# Altium PCB VNA_v4.PcbDoc (part 1 of 5) (continued)
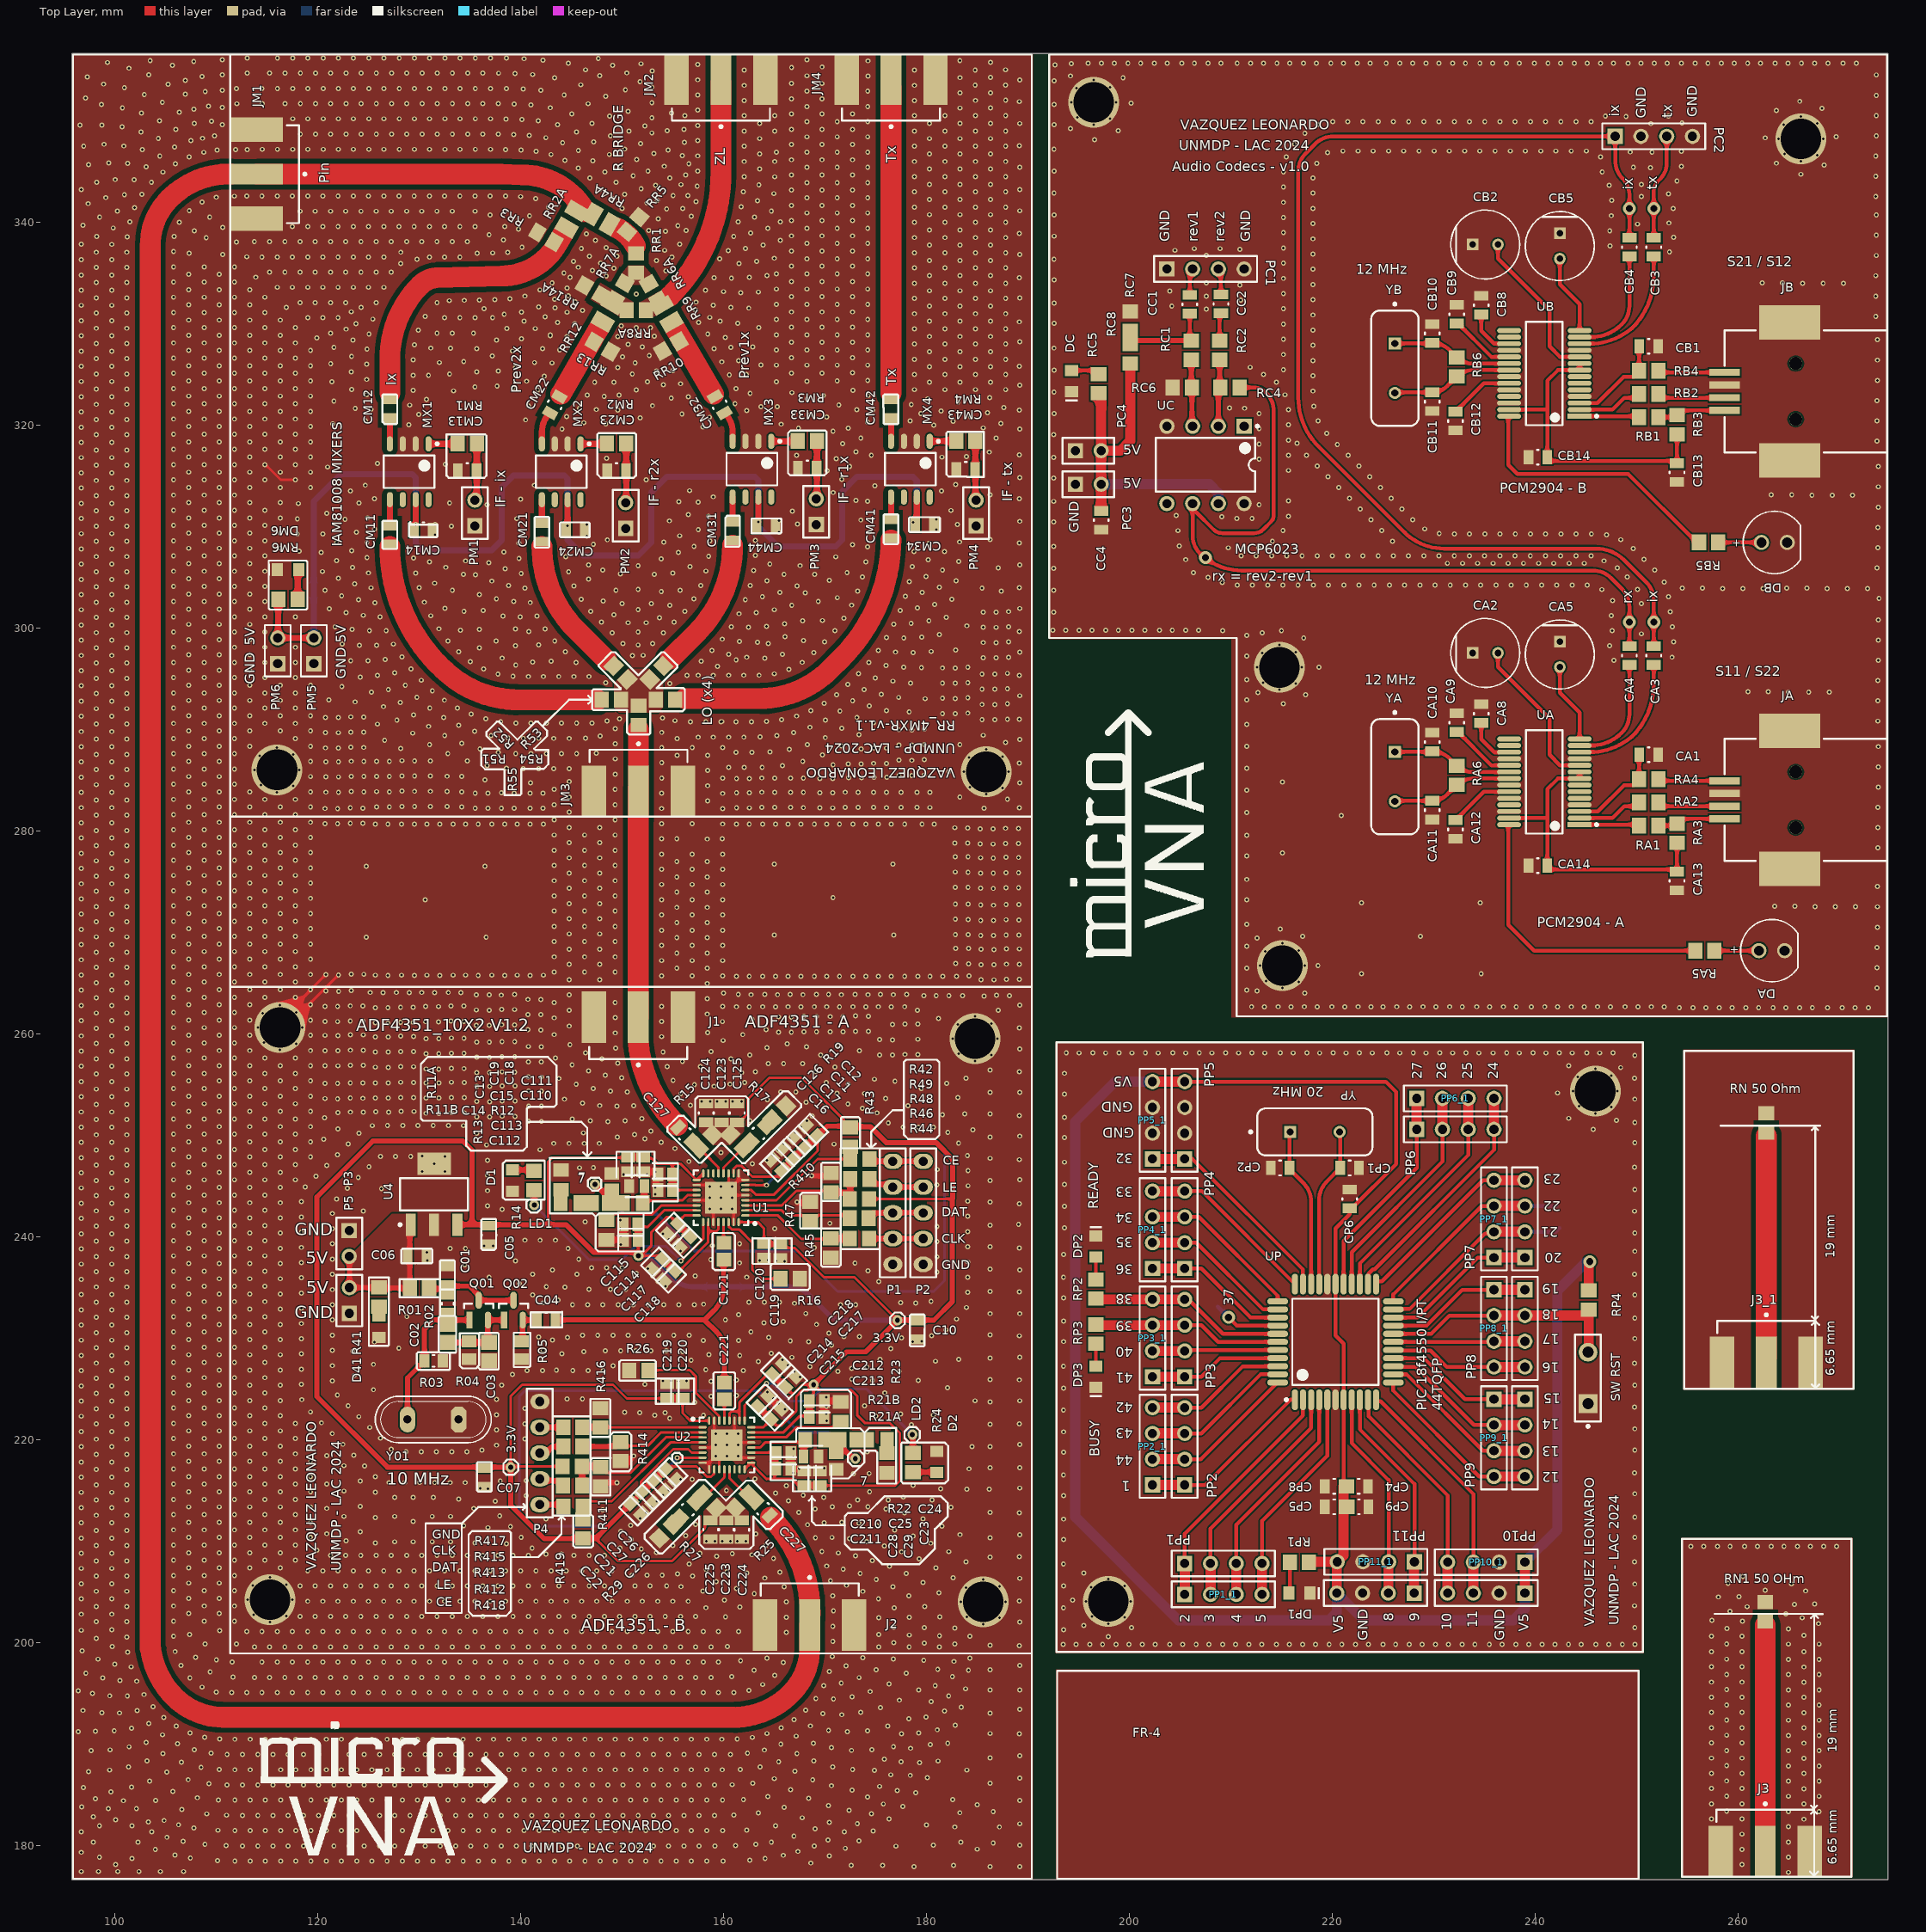
[diagram p0: Top Layer view]
## Components (designator, comment, footprint, x,y, rotation, side; value= is the part's Value field where it differs from the comment)
C01 "0.1 uF" FP-CC0805-0_85-MFG 132.8,236.14 r90 top value="100 nF"
C02 "100 pF" CAPC2013X88X50ML20T25 132.831,230.451 r90 top
C03 "100 pF" CAPC2013X88X50ML20T25 136.9,228.65 r90 top
C04 "0.1 uF" FP-CC0805-0_85-MFG 142.53,231.77 r0 top value="100 nF"
C05 "0.1 uF" FP-CC0805-0_85-MFG 136.9,240.14 r90 top value="100 nF"
C06 "0.1 uF" FP-CC0805-0_85-MFG 129.8,238.1 r180 top value="100 nF"
C07 "0.1 uF" FP-CC0805-0_85-MFG 136.43,216.27 r270 top value="100 nF"
C08 "0.1 uF" FP-CC0805-0_85-MFG 160.93,234.09 r270 bottom value="100 nF"
C09 "0.1 uF" FP-CC0805-0_85-MFG 159.06,235.95 r270 bottom value="100 nF"
C10 "0.1 uF" FP-CC0805-0_85-MFG 179.11,230.79 r270 top value="100 nF"
C11 "10 pF" FP-CL21-IPC_C 167.49,249.28 r135 top
C12 "100 nF" FP-CL21-IPC_C 168.64,250.38 r135 top
C13 "2.7 nF" CAPC2013X130X50NL20T20 148.98,245.4 r270 top
C14 "47 nF" CAPC2013X100X50ML20T25 147.88,243.3 r0 top
C15 "680 pF" FP-C0805C-DN-MFG 151.46,244.97 r180 top
C16 "10 pF" FP-CL21-IPC_C 165.29,247.07 r135 top
C17 "100 nF" FP-CL21-IPC_C 166.36,248.16 r135 top
C18 "10 pF" FP-CL21-IPC_C 152.1,247.1 r270 top
C19 "100 nF" FP-CL21-IPC_C 150.59,247.1 r270 top
C21 "10 pF" FP-CL21-IPC_C 152.49,214.3 r315 top
C22 "10 pF" FP-CL21-IPC_C 151.41,213.2 r315 top
C23 "2.7 nF" CAPC2013X130X50NL20T20 171.12,217.87 r90 top
C24 "47 nF" CAPC2013X100X50ML20T25 172.29,219.97 r180 top
C25 "680 pF" FP-C0805C-DN-MFG 168.64,218.3 r0 top
C26 "10 pF" FP-CL21-IPC_C 154.78,216.5 r315 top
C27 "100 nF" FP-CL21-IPC_C 153.66,215.44 r315 top
C28 "10 pF" FP-CL21-IPC_C 168,216.17 r90 top
C29 "100 nF" FP-CL21-IPC_C 169.51,216.17 r90 top
C110 "10 pF" FP-CL21-IPC_C 154.27,244.59 r180 top
C111 "100 nF" FP-CL21-IPC_C 154.27,246.12 r180 top
C112 "10 pF" FP-CL21-IPC_C 150.88,239.65 r180 top
C113 "100 nF" FP-CL21-IPC_C 150.85,241.19 r180 top
C114 "10 pF" FP-CL21-IPC_C 156.166,239.552 r225 top
C115 "100 nF" FP-CL21-IPC_C 155.05,240.68 r225 top
C117 "10 pF" FP-CL21-IPC_C 153.553,237.24 r225 top
C118 "100 nF" FP-CL21-IPC_C 154.65,236.14 r225 top
C119 "10 pF" FP-CL21-IPC_C 165.6,238.55 r270 top
C120 "100 nF" FP-CL21-IPC_C 164,238.6 r270 top
C121 "1 nF" CAPC2013X94X50NL20T25 160.04,238.54 r90 top
C123 "120 pF" FP-CC0805-0_85-MFG 159.81,252.17 r90 top value="100 nF"
C124 "0.1 uF" FP-CC0805-0_85-MFG 158.3,252.18 r90 top value="100 nF"
C125 "120 pF" FP-CC0805-0_85-MFG 161.36,252.17 r90 top value="100 nF"
C126 "0.1 uF" FP-CC0805-0_85-MFG 163.45,250.15 r45 top value="100 nF"
C127 "0.1 uF" FP-CC0805-0_85-MFG 156.19,250.11 r135 top value="100 nF"
C210 "10 pF" FP-CL21-IPC_C 165.92,218.66 r0 top
C211 "100 nF" FP-CL21-IPC_C 165.91,217.11 r0 top
C212 "10 pF" FP-CL21-IPC_C 169.21,223.79 r0 top
C213 "100 nF" FP-CL21-IPC_C 169.2,222.23 r0 top
C214 "10 pF" FP-CL21-IPC_C 163.95,223.7 r45 top
C215 "100 nF" FP-CL21-IPC_C 165.14,222.54 r45 top
C217 "10 pF" FP-CL21-IPC_C 166.57,225.712 r45 top
C218 "100 nF" FP-CL21-IPC_C 165.382,226.872 r45 top
C219 "10 pF" FP-CL21-IPC_C 154.46,224.76 r90 top
C220 "100 nF" FP-CL21-IPC_C 155.97,224.76 r90 top
C221 "1 nF" CAPC2013X94X50NL20T25 160.089,224.781 r270 top
C223 "120 pF" FP-CC0805-0_85-MFG 160.29,211.1 r270 top value="100 nF"
C224 "0.1 uF" FP-CC0805-0_85-MFG 161.81,211.09 r270 top value="100 nF"
C225 "120 pF" FP-CC0805-0_85-MFG 158.74,211.1 r270 top value="100 nF"
C226 "0.1 uF" FP-CC0805-0_85-MFG 156.49,213.07 r225 top value="100 nF"
C227 "0.1 uF" FP-CC0805-0_85-MFG 163.91,213.16 r315 top value="100 nF"
CA1 "1 uF" FP-CC0805-0_85-MFG 251.206,287.486 r180 top value="100 nF"
CA2 "10 uF" FP-RAD-TH-D_6_3_0_5-L_7_1-MFG 235.097,297.519 r0 top
CA3 "1 uF" FP-CC0805-0_85-MFG 251.714,297.265 r270 top value="100 nF"
CA4 "1 uF" FP-CC0805-0_85-MFG 249.301,297.265 r270 top value="100 nF"
CA5 "10 uF" FP-RAD-TH-D_6_3_0_5-L_7_1-MFG 242.443,297.372 r270 top
CA8 "1 uF" FP-CC0805-0_85-MFG 234.696,291.55 r270 top value="100 nF"
CA9 "1 uF" FP-CC0805-0_85-MFG 232.283,290.661 r270 top value="100 nF"
CA10 "10 pF" FP-CC0805-0_85-MFG 229.87,288.756 r270 top value="100 nF"
CA11 "10 pF" FP-CC0805-0_85-MFG 229.87,282.025 r90 top value="100 nF"
CA12 "1 uF" FP-CC0805-0_85-MFG 232.156,280.12 r90 top value="100 nF"
CA13 "1 uF" FP-CC0805-0_85-MFG 254,275.04 r270 top value="100 nF"
CA14 "1 uF" FP-CC0805-0_85-MFG 240.284,276.564 r0 top value="100 nF"
CB1 "1 uF" FP-CC0805-0_85-MFG 251.206,327.745 r180 top value="100 nF"
CB2 "10 uF" FP-RAD-TH-D_6_3_0_5-L_7_1-MFG 235.097,337.778 r0 top
CB3 "1 uF" FP-CC0805-0_85-MFG 251.714,337.524 r270 top value="100 nF"
CB4 "1 uF" FP-CC0805-0_85-MFG 249.301,337.524 r270 top value="100 nF"
CB5 "10 uF" FP-RAD-TH-D_6_3_0_5-L_7_1-MFG 242.443,337.631 r270 top
CB8 "1 uF" FP-CC0805-0_85-MFG 234.696,331.809 r270 top value="100 nF"
CB9 "1 uF" FP-CC0805-0_85-MFG 232.283,330.92 r270 top value="100 nF"
CB10 "10 pF" FP-CC0805-0_85-MFG 229.87,329.015 r270 top value="100 nF"
CB11 "10 pF" FP-CC0805-0_85-MFG 229.87,322.284 r90 top value="100 nF"
CB12 "1 uF" FP-CC0805-0_85-MFG 232.156,320.379 r90 top value="100 nF"
CB13 "1 uF" FP-CC0805-0_85-MFG 254,315.299 r270 top value="100 nF"
CB14 "1 uF" FP-CC0805-0_85-MFG 240.284,316.823 r0 top value="100 nF"
CC1 "0.1 uF" FP-CC0805-0_85-MFG 205.973,331.891 r90 top value="100 nF"
CC2 "0.1 uF" FP-CC0805-0_85-MFG 209.042,331.936 r90 top value="100 nF"
CC3 "0.1 uF" FP-CC0805-0_85-MFG 214.122,314.41 r0 bottom value="100 nF"
CC4 "0.1 uF" FP-CC0805-0_85-MFG 197.231,310.6 r270 top value="100 nF"
CM11 "1 nF" FP-CC0805-0_85-MFG 127.121,309.159 r90 top value="100 nF"
CM12 "1 nF" FP-CC0805-0_85-MFG 127.121,321.605 r270 top value="100 nF"
CM13 "1 nF" FP-CC0805-0_85-MFG 134.741,315.509 r0 top value="100 nF"
CM14 "1 nF" FP-CC0805-0_85-MFG 130.423,309.667 r0 top value="100 nF"
CM15 "0.1UF" FP-CC0805-0_85-MFG 118.612,303.698 r180 bottom value="100 nF"
CM21 "1 nF" FP-CC0805-0_85-MFG 142.107,309.413 r90 top value="100 nF"
CM22 "1 nF" FP-CC0805-0_85-MFG 143.377,321.986 r240 top value="100 nF"
CM23 "1 nF" FP-CC0805-0_85-MFG 149.473,315.509 r0 top value="100 nF"
CM24 "1 nF" FP-CC0805-0_85-MFG 145.409,309.667 r0 top value="100 nF"
CM31 "1 nF" FP-CC0805-0_85-MFG 160.903,309.54 r90 top value="100 nF"
CM32 "1 nF" FP-CC0805-0_85-MFG 159.633,321.986 r300 top value="100 nF"
CM33 "1 nF" FP-CC0805-0_85-MFG 168.269,315.763 r0 top value="100 nF"
CM34 "1 nF" FP-CC0805-0_85-MFG 179.826,310.175 r0 top value="100 nF"
CM41 "1 nF" FP-CC0805-0_85-MFG 176.524,309.758 r90 top value="100 nF"
CM42 "1 nF" FP-CC0805-0_85-MFG 176.524,321.605 r270 top value="100 nF"
CM43 "1 nF" FP-CC0805-0_85-MFG 183.89,315.636 r0 top value="100 nF"
CM44 "1 nF" FP-CC0805-0_85-MFG 164.205,310.048 r0 top value="100 nF"
CP1 "220 pF" FP-CC0805-0_85-MFG 221.73,246.753 r180 top value="100 nF"
CP2 "220 pF" FP-CC0805-0_85-MFG 214.872,246.753 r0 top value="100 nF"
CP3 "220 pF" FP-CC0805-0_85-MFG 208.268,233.672 r315 bottom value="100 nF"
CP4 "1 uF" FP-CC0805-0_85-MFG 222.619,215.384 r180 top value="100 nF"
CP5 "1 uF" FP-CC0805-0_85-MFG 220.206,213.352 r0 top value="100 nF"
CP6 "100 nF" FP-CC0805-0_85-MFG 221.73,243.705 r270 top
CP7 "220 pF" FP-CC0805-0_85-MFG 199.886,254.373 r270 bottom value="100 nF"
CP8 "1 uF" FP-CC0805-0_85-MFG 220.206,215.384 r0 top value="100 nF"
CP9 "1 uF" FP-CC0805-0_85-MFG 222.655,213.352 r180 top value="100 nF"
D1 "LED Red" WL-SMCW_0805_150080xx75000 139.21,245.51 r90 top
D2 "LED Red" WL-SMCW_0805_150080xx75000 181.03,217.78 r270 top
D41 "LED Red" WL-SMCW_0805_150080xx75000 126.04,231.11 r90 top
DA "151051BS04000" WL-TMRC_D5.9H8.7 263.34,268.175 r0 top
DB "151051BS04000" WL-TMRC_D5.9H8.7 263.592,308.413 r0 top
DC "LED Red" WL-SMCW_0805_150080xx75000 194.31,324.316 r90 top
DM6 "LED Red" WL-SMCW_0805_150080xx75000 117.088,305.73 r0 top
DP1 "LED Red" WL-SMCW_0805_150080xx75000 216.777,204.843 r180 top
DP2 "LED Red" WL-SMCW_0805_150080xx75000 196.711,239.006 r270 top
DP3 "LED Red" WL-SMCW_0805_150080xx75000 196.711,226.179 r90 top
J1 "142-0701-801" FP-142-0701-801-MFG 151.61,264.887 r90 top
J2 "142-0701-801" FP-142-0701-801-MFG 168.5,198.413 r270 top
J3 "142-0701-801" FP-142-0701-801-MFG 262.7,176.1 r270 top
J3_1 "142-0701-801" FP-142-0701-801-MFG 262.8,224.3 r270 top
JA "62910416121" 62910416121 266.7,283.041 r90 top
JB "62910416121" 62910416121 266.7,323.3 r90 top
JM1 "142-0701-801" FP-142-0701-801-MFG 110.763,344.719 r180 top
JM2 "142-0701-801" FP-142-0701-801-MFG 159.758,357.377 r90 top
JM3 "142-0701-801" FP-142-0701-801-MFG 151.632,280.584 r270 top
JM4 "142-0701-801" FP-142-0701-801-MFG 176.524,357.377 r90 top
MX1 "IAM-81008" IAM-81008 129.026,315.382 r270 top
MX2 "IAM-81008" IAM-81008 144.012,315.382 r270 top
MX3 "IAM-81008" IAM-81008 162.808,315.636 r270 top
MX4 "IAM-81008" IAM-81008 178.429,315.636 r270 top
P1 "Header 5" HDR1X5 176.7,247.412 r270 top
P2 "Header 5" HDR1X5 179.7,247.412 r270 top
P3 "Header 2" HDR1X2 123.11,240.58 r270 top
P4 "Header 5" HDR1X5 141.91,223.73 r270 top
P5 "Header 2" HDR1X2 123.13,232.42 r90 top
PC1 "Header 4" HDR1X4 203.708,335.365 r0 top
PC2 "Header 4" HDR1X4 247.904,348.446 r0 top
PC3 "Header 2" HDR1X2 194.691,314.156 r0 top
PC4 "Header 2" HDR1X2 194.691,317.458 r0 top
PM1 "Header 2" HDR1X2 135.503,310.048 r90 top
PM2 "Header 2" HDR1X2 150.362,309.794 r90 top
PM3 "Header 2" HDR1X2 169.158,310.175 r90 top
PM4 "Header 2" HDR1X2 184.906,310.048 r90 top
PM5 "Header 2" HDR1X2 119.628,296.459 r90 top
PM6 "Header 2" HDR1X2 116.072,296.459 r90 top
PP1 "Header 4" HDR1X4 205.474,207.764 r0 top
PP1_1 "Header 4" HDR1X4 205.474,204.716 r0 top
PP2 "Header 4" HDR1X4 205.474,215.511 r90 top
PP2_1 "Header 4" HDR1X4 202.299,215.511 r90 top
PP3 "Header 4" HDR1X4 205.474,226.179 r90 top
PP3_1 "Header 4" HDR1X4 202.299,226.179 r90 top
PP4 "Header 4" HDR1X4 205.474,236.847 r90 top
PP4_1 "Header 4" HDR1X4 202.299,236.847 r90 top
PP5 "Header 4" HDR1X4 205.474,247.642 r90 top
PP5_1 "Header 4" HDR1X4 202.299,247.642 r90 top
PP6 "Header 4" HDR1X4 228.334,250.563 r0 top
PP6_1 "Header 4" HDR1X4 228.334,253.611 r0 top
PP7 "Header 4" HDR1X4 239.002,237.924 r90 top
PP7_1 "Header 4" HDR1X4 235.954,237.924 r90 top
PP8 "Header 4" HDR1X4 239.002,234.749 r270 top
PP8_1 "Header 4" HDR1X4 235.954,234.749 r270 top
PP9 "Header 4" HDR1X4 239.002,223.954 r270 top
PP9_1 "Header 4" HDR1X4 235.954,223.954 r270 top
PP10 "Header 4" HDR1X4 239.002,204.843 r180 top
PP10_1 "Header 4" HDR1X4 239.002,207.891 r180 top
PP11 "Header 4" HDR1X4 228.08,204.843 r180 top
PP11_1 "Header 4" HDR1X4 228.114,207.932 r180 top
Q01 "2N3904" FP-SOT23-IPC_A 135.879,232.737 r90 top
Q02 "2N3904" FP-SOT23-IPC_A 139.308,232.737 r90 top
R01 "100 Ohm" RESC2013X60X40ML20T25#1 130.034,234.91 r180 top
R02 "10k Ohm" RESC2013X60X35NL10T20 132.831,233.372 r90 top
R03 "10k Ohm" RESC2013X60X35NL10T20 131.43,227.74 r180 top
R04 "1K2 Ohm" RESC2013X70X40NL20T20 134.94,228.79 r90 top
R05 "2K2 ohm" RESC2013X70X40NL20T20 140.09,228.79 r90 top
R11A "360 Ohm" RESC2013X70X40ML20T20 143.99,245.58 r270 top
R11B "360 Ohm" RESC2013X70X40ML20T20 144.94,243.3 r0 top
R12 "680 Ohm" RESC2013X70X40ML20T20 151.07,243.3 r0 top
R13 "4K7 Ohm" RESC2013X70X40ML20T20 148.46,240.64 r270 top
R14 "1 KOhm" RESC2013X60X40ML20T25#1 141.32,245.51 r270 top
R15 "50 Ohm" RESC2013X60X40ML20T25#1 158.27,249.36 r45 top
R16 "1 KOhm" RESC2013X60X40ML20T25#1 166.59,235.83 r0 top
R17 "50 Ohm" RESC2013X60X40ML20T25#1 161.34,249.38 r315 top
R19 "100 Ohm" RESC2013X60X40ML20T25#1 165.5,252.21 r45 top
R21A "360 Ohm" RESC2013X70X40ML20T20 176.11,217.69 r90 top
R21B "360 Ohm" RESC2013X70X40ML20T20 175.16,219.97 r180 top
R22 "680 Ohm" RESC2013X70X40ML20T20 169.03,219.97 r180 top
R23 "4K7 Ohm" RESC2013X70X40ML20T20 171.57,222.72 r90 top
R24 "1 KOhm" RESC2013X60X40ML20T25#1 178.67,217.73 r90 top
R25 "50 Ohm" RESC2013X60X40ML20T25#1 161.83,213.91 r225 top
R26 "1 KOhm" RESC2013X60X40ML20T25#1 151.68,226.78 r180 top
R27 "50 Ohm" RESC2013X60X40ML20T25#1 158.64,213.88 r135 top
R29 "100 Ohm" RESC2013X60X40ML20T25#1 154.34,210.93 r225 top
R41 "1 KOhm" RESC2013X60X40ML20T25#1 126.059,234.048 r90 top
R42 "1 KOhm" RESC2013X60X40ML20T25#1 173.43,247.64 r0 top
R43 "1 KOhm" RESC2013X60X40ML20T25#1 172.5,249.8 r90 top
R44 "1 KOhm" RESC2013X60X40ML20T25#1 173.39,239.8 r0 top
R45 "1 KOhm" RESC2013X60X40ML20T25#1 170.58,238.86 r90 top
R46 "1 KOhm" RESC2013X60X40ML20T25#1 173.38,241.81 r0 top
R47 "1 KOhm" RESC2013X60X40ML20T25#1 168.56,242.47 r270 top
R48 "1 KOhm" RESC2013X60X40ML20T25#1 173.42,243.7 r0 top
R49 "1 KOhm" RESC2013X60X40ML20T25#1 173.45,245.66 r0 top
R51 "27 Ohm" RESC2013X60X40ML20T25#1 148.965,292.903 r0 top
R52 "27 Ohm" RESC2013X60X40ML20T25#1 149.854,295.57 r315 top
R53 "27 Ohm" RESC2013X60X40ML20T25#1 153.41,295.57 r225 top
R54 "27 Ohm" RESC2013X60X40ML20T25#1 154.299,292.903 r180 top
R55 "27 Ohm" RESC2013X60X40ML20T25#1 151.632,291.379 r270 top
R410 "1 KOhm" RESC2013X60X40ML20T25#1 170.6,245.32 r270 top
R411 "1 KOhm" RESC2013X60X40ML20T25#1 147.9,216.31 r90 top
R412 "1 KOhm" RESC2013X60X40ML20T25#1 145.13,215.46 r180 top
R413 "1 KOhm" RESC2013X60X40ML20T25#1 145.11,217.34 r180 top
R414 "1 KOhm" RESC2013X60X40ML20T25#1 149.87,218.8 r90 top
R415 "1 KOhm" RESC2013X60X40ML20T25#1 145.16,219.3 r180 top
R416 "1 KOhm" RESC2013X60X40ML20T25#1 147.88,222.14 r270 top
R417 "1 KOhm" RESC2013X60X40ML20T25#1 145.16,221.2 r180 top
R418 "1 KOhm" RESC2013X60X40ML20T25#1 145.17,213.37 r180 top
R419 "1 KOhm" RESC2013X60X40ML20T25#1 146.15,211.17 r270 top
RA1 "22 Ohm" RESC2013X60X40ML20T25#1 251.206,280.501 r180 top
RA2 "22 Ohm" RESC2013X60X40ML20T25#1 251.206,282.787 r0 top
RA3 "1.5 KOhm" RESC2013X60X40ML20T25#1 254,279.739 r90 top
RA4 "2.2" RESC2013X60X40ML20T25#1 251.206,285.073 r180 top
RA5 "1K Ohm" RESC2013X60X40ML20T25#1 256.736,268.175 r180 top
RA6 "1 MOhm" RESC2013X60X40ML20T25#1 232.283,285.454 r90 top
RB1 "22 Ohm" RESC2013X60X40ML20T25#1 251.206,320.76 r180 top
RB2 "22 Ohm" RESC2013X60X40ML20T25#1 251.206,323.046 r0 top
RB3 "1.5 KOhm" RESC2013X60X40ML20T25#1 254,319.998 r90 top
RB4 "2.2" RESC2013X60X40ML20T25#1 251.206,325.332 r180 top
RB5 "1K Ohm" RESC2013X60X40ML20T25#1 257.115,308.413 r180 top
RB6 "1 MOhm" RESC2013X60X40ML20T25#1 232.283,325.713 r90 top
RC1 "10K Ohm" RESC2013X60X40ML20T25#1 206.121,327.364 r90 top
RC2 "10K Ohm" RESC2013X60X40ML20T25#1 208.915,327.364 r90 top
RC4 "10K Ohm" RESC2013X60X40ML20T25#1 209.931,323.681 r180 top
RC5 "1 KOhm" RESC2013X60X40ML20T25#1 196.977,324.062 r270 top
RC6 "10K Ohm" RESC2013X60X40ML20T25#1 205.232,323.681 r180 top
RC7 "10K Ohm" RESC2013X60X40ML20T25#1 200.1,330.229 r90 top
RC8 "10K Ohm" RESC2013X60X40ML20T25#1 200.1,327 r270 top
RM1 "10K Ohm" RESC2013X60X40ML20T25#1 134.741,318.176 r180 top
RM2 "10K Ohm" RESC2013X60X40ML20T25#1 149.473,318.176 r180 top
RM3 "10K Ohm" RESC2013X60X40ML20T25#1 168.269,318.43 r180 top
RM4 "10K Ohm" RESC2013X60X40ML20T25#1 183.89,318.43 r180 top
RM6 "1 KOhm" RESC2013X60X40ML20T25#1 117.088,302.809 r180 top
"RN1 50 OHm" "50 Ohm" RESC2013X60X40ML20T25#1 262.7,203 r270 top
"RN 50 Ohm" "0 Ohm" RESC2013X60X40ML20T25#1 262.8,251.2 r270 top
RP1 "1 KOhm" RESC2013X60X40ML20T25#1 216.777,207.891 r0 top
RP2 "1 KOhm" RESC2013X60X40ML20T25#1 196.711,234.815 r270 top
RP3 "1 KOhm" RESC2013X60X40ML20T25#1 196.711,230.37 r90 top
RP4 "10 KOhm" RESC2013X60X40ML20T25#1 245.304,233.727 r270 top
RP5 "2k2 Ohm" RESC2013X60X40ML20T25#1 242.304,241.8 r90 bottom
RP6 "1 KOhm" RESC2013X60X40ML20T25#1 242.304,238.752 r90 bottom
RR1 "10 Ohm" RESC2013X60X40ML20T25#1 151.378,335.956 r270 top
RR2A "75 Ohm" RESC2013X60X40ML20T25#2 145.028,340.274 r60 top
RR3 "56 Ohm" RESC2013X60X40ML20T25#3 142.488,338.496 r150 top
RR4A "75 Ohm" RESC2013X60X40ML20T25#4 147.949,340.274 r150 top
RR5 "56 Ohm" RESC2013X60X40ML20T25#1 151.124,339.766 r50 top
RR6A "50 Ohm" RESC2013X60X40ML20T25#1 153.1,333.1 r120 top
RR7A "50 Ohm" RESC2013X60X40ML20T25#1 149.81,333.16 r60 top
RR8A "220 Ohm" RESC2013X60X40ML20T25#1 151.4,331.3 r180 top
RR9 "470 Ohm" RESC2013X60X40ML20T25#5 154.41,330.96 r120 top
RR10 "56 Ohm" RESC2013X60X40ML20T25#1 154.81,327.76 r210 top
RR12 "470 Ohm" RESC2013X60X40ML20T25#5 148.584,331.003 r60 top
RR13 "56 Ohm" RESC2013X60X40ML20T25#1 148.076,327.701 r330 top
RR14A "50 Ohm" RESC2013X60X40ML20T25#1 147.126,333.256 r150 top
"SW RST" "SW-PB" SPST-2 245.225,226.052 r90 top
U1 "ADF4351" ADI-CP-32-2_L 159.758,243.823 r180 top
U2 "ADF4351" ADI-CP-32-2_L 160.343,219.447 r0 top
U4 "MCP1703-5002E/DB" SOT-223-DB3_N 131.48,244.16 r90 top
UA "PCM2904DB" FP-DB0028A-IPC_A 240.919,284.819 r180 top
UB "PCM2904DB" FP-DB0028A-IPC_A 240.919,325.078 r180 top
UC "MCP6023-E/P" PDIP300-P8 207.518,316.061 r270 top
UP "PIC18F4550-I/PT" TQFP-PT44_M 220.333,229.608 r90 top
Y01 "XTAL" "Cristal mini" 131.4,221.96 r180 top
YA "12 MHz" FOX-FOXSLF160-20 226.187,285.327 r270 top
YB "12 MHz" FOX-FOXSLF160-20 226.187,325.586 r270 top
YP "20 MHz" FOX-FOXSLF160-20 218.301,250.309 r0 top

## Footprints (in the part's own frame and the unit in brackets; to place one, negate y for a bottom-side part, rotate by r counter-clockwise, add the part's x,y. Pads: shape width x height; smd on the part's side, far side on the other; paste and mask are expansions set on the pad)
62910416121 [mm] "USB 2.0 Type B SMT Horizontal"
  rect 0.7x3 smd: 1(1.875,8) 2(-0.625,8) 3(-1.875,8) 4(0.625,8)
  round 1.3 hole 1.3 unplated: MH1(-2.75,1) MH2(2.75,1)
  rect 3.4x6.04 smd: Shell(-6.8,1.6) Shell(6.8,1.6)
  silkscreen extent -6.02,-8 6.02,8, body extent -8.1,-8 8.1,9.39, height 11.16
ADI-CP-32-2_L [mm] "QFN, 32-Leads, Body 5x5mm, Pitch 0.5mm, Thermal Pad 3.1x3.1mm, IPC High Density"
  oval 0.8x0.25 smd: 1(-2.4,1.75) 2(-2.4,1.25) 3(-2.4,0.75) 4(-2.4,0.25) 5(-2.4,-0.25) 6(-2.4,-0.75) 7(-2.4,-1.25) 8(-2.4,-1.75) 17(2.4,-1.75) 18(2.4,-1.25) 19(2.4,-0.75) 20(2.4,-0.25) 21(2.4,0.25) 22(2.4,0.75) 23(2.4,1.25) 24(2.4,1.75)
  oval 0.25x0.8 smd: 9(-1.75,-2.4) 10(-1.25,-2.4) 11(-0.75,-2.4) 12(-0.25,-2.4) 13(0.25,-2.4) 14(0.75,-2.4) 15(1.25,-2.4) 16(1.75,-2.4) 25(1.75,2.4) 26(1.25,2.4) 27(0.75,2.4) 28(0.25,2.4) 29(-0.25,2.4) 30(-0.75,2.4) 31(-1.25,2.4) 32(-1.75,2.4)
  rect 3.1x3.1 smd: 33(0,0)
  silkscreen extent -3.48,-2.7 2.7,2.7, body extent -2.55,-2.55 2.55,2.55, height 1
CAPC2013X88X50ML20T25 [mm] "Chip Capacitor, 2-Leads, Body 2.00x1.25mm, IPC Low Density"
  rect 1.5x1.55 smd: 1(-0.9,0) 2(0.9,0)
  body extent -1.1,-0.72 1.1,0.72, height 0.88
CAPC2013X94X50NL20T25 [mm] "Chip Capacitor, 2-Leads, Body 2.01x1.25mm, IPC Medium Density"
  rect 1.35x1.45 smd: 1(-0.825,0) 2(0.825,0)
  body extent -1.1,-0.72 1.11,0.72, height 0.94
CAPC2013X100X50ML20T25 [mm] "Chip Capacitor, 2-Leads, Body 2.00x1.25mm, IPC Low Density"
  rect 1.5x1.55 smd: 1(-0.9,0) 2(0.9,0)
  body extent -1.1,-0.72 1.1,0.72, height 1
CAPC2013X130X50NL20T20 [mm] "Chip Capacitor, 2-Leads, Body 2.00x1.25mm, IPC Medium Density"
  rect 1.25x1.45 smd: 1(-0.825,0) 2(0.825,0)
  body extent -1.1,-0.72 1.1,0.72, height 1.3
"Cristal mini" [mm] "Cristal de cuarzo empaque pequeño"
  oct 1.524x2.54 hole 0.8: 1(-2.5,0)
  oval 1.524x2.54 hole 0.8: 2(2.54,0)
  silkscreen extent -5.71,-2.29 5.71,2.29, body extent -5.63,-2.35 5.72,2.3, height 3.5
FOX-FOXSLF160-20 [mm] "THD, 2-Leads, Body 11.35x4.65mm"
  rect 1.2x1.2 hole 0.7: 1(-2.44,0)
  round 1.2 hole 0.7: 2(2.44,0)
  silkscreen extent -6.45,-2.32 5.68,2.32, body extent -5.67,-2.32 5.68,2.33, height 3.6
FP-142-0701-801-MFG [mil]
  rect 200x80.83 smd paste+0 mask+0: 1(-129,0)
  rect 200x95 smd paste+0 mask+0: 2(-129,172.5) 3(-129,-172.5)
  rect 200x95 smd far side paste+0 mask+0: 2(-129,172.5) 3(-129,-172.5)
  silkscreen extent -319,-190 -244,190, body extent -295,-224 295,224, height 10
FP-C0805C-DN-MFG [mm]
  rect 0.95x1.35 smd paste+0 mask+0: 1(-0.75,0) 2(0.75,0)
  silkscreen extent -1.1,-1.07 1.1,1.07, body extent -1.4,-0.85 1.4,0.85, height 0.25
FP-CC0805-0_85-MFG [mm]
  rect 0.95x1.4 smd paste+0 mask+0: 1(-0.925,0) 2(0.925,0)
  silkscreen extent -0.08,-0.72 0.08,0.72, body extent -1.6,-1.05 1.6,1.05, height 0.25
FP-CL21-IPC_C [mm]
  rect 1.055x1.356 smd paste+0 mask+0: 1(-0.726,0) 2(0.726,0)
  silkscreen extent -1.25,-1.12 1.25,1.12, body extent -1.35,-0.82 1.35,0.82, height 0.25
FP-DB0028A-IPC_A [mm]
  rect 2.353x0.495 smd paste+0 mask+0: 1(-3.475,4.225)
  rrect100% 2.353x0.495 smd paste+0 mask+0: 2(-3.475,3.575) 3(-3.475,2.925) 4(-3.475,2.275) 5(-3.475,1.625) 6(-3.475,0.975) 7(-3.475,0.325) 8(-3.475,-0.325) 9(-3.475,-0.975) 10(-3.475,-1.625) 11(-3.475,-2.275) 12(-3.475,-2.925) 13(-3.475,-3.575) 14(-3.475,-4.225) 15(3.475,-4.225) 16(3.475,-3.575) 17(3.475,-2.925) 18(3.475,-2.275) 19(3.475,-1.625) 20(3.475,-0.975) 21(3.475,-0.325) 22(3.475,0.325) 23(3.475,0.975) 24(3.475,1.625) 25(3.475,2.275) 26(3.475,2.925) 27(3.475,3.575) 28(3.475,4.225)
  silkscreen extent -5.28,-5.1 1.8,5.1, body extent -5.15,-5.6 5.15,5.6, height 0.25
FP-RAD-TH-D_6_3_0_5-L_7_1-MFG [mm]
  rect 1.15x1.15 hole 0.65 paste-2539.97 mask+0: 1(-1.25,0)
  round 1.15 hole 0.65 paste-2539.97 mask+0: 2(1.25,0)
  silkscreen extent -3.4,-3.4 3.4,3.4, body extent -3.5,-3.5 3.5,3.5, height 0.25
FP-SOT23-IPC_A [mm]
  rect 1.659x0.627 smd paste+0 mask+0: 1(-0.977,0.915)
  rrect100% 1.659x0.627 smd paste+0 mask+0: 2(-0.977,-0.915) 3(0.977,0)
  silkscreen extent 0.23,-1.45 0.65,1.45, body extent -2.31,-1.95 2.31,1.95, height 0.25
HDR1X2 [mm] "Connector; Header; 2 Position"
  rect 1.5x1.5 hole 0.9: 1(0,0)
  round 1.5 hole 0.9: 2(2.54,0)
  silkscreen extent -1.27,-1.27 3.81,1.27
HDR1X4 [mm] "Connector; Header; 4 Position"
  rect 1.5x1.5 hole 0.9: 1(0,0)
  round 1.5 hole 0.9: 2(2.54,0) 3(5.08,0) 4(7.62,0)
  silkscreen extent -1.27,-1.27 8.89,1.27
HDR1X5 [mm] "Connector; Header; 5 Position"
  oval 1.5x1.9 hole 0.9: 1(0,0) 2(2.54,0) 3(5.08,0) 4(7.62,0) 5(10.16,0)
  silkscreen extent -1.27,-1.27 11.43,1.27
IAM-81008 [mm] "SOP, 8-Leads, Body 4,86x3,90mm, Pitch 1,27mm, IPC Medium Density"
  oval 1.5x0.6 smd: 1(-2.75,1.905) 2(-2.75,0.635) 3(-2.75,-0.635) 4(-2.75,-1.905) 5(2.75,-1.905) 6(2.75,-0.635) 7(2.75,0.635) 8(2.75,1.905)
  silkscreen extent -2.87,-2.5 1.6,2.88, body extent -2,-2.5 2,2.5, height 1.75
PDIP300-P8 [mm] "8-Pin Plastic Dual In-Line Package (PDIP)"
  rect 1.5x1.5 hole 0.9: 1(-3.81,3.81)
  round 1.5 hole 0.9: 2(-3.81,1.27) 3(-3.81,-1.27) 4(-3.81,-3.81) 5(3.81,-3.81) 6(3.81,-1.27) 7(3.81,1.27) 8(3.81,3.81)
  silkscreen extent -3.93,-4.9 2.65,5.24, body extent -3.55,-4.9 3.55,4.9, height 4.32
RESC2013X60X35NL10T20 [mm] "Chip Resistor, 2-Leads, Body 2.1x1.35mm, IPC Medium Density"
  rect 1x1.35 smd: 1(-0.9,0) 2(0.9,0)
  silkscreen extent -0.1,-0.58 0.1,0.58, body extent -1.05,-0.68 1.05,0.67, height 0.6
RESC2013X60X40ML20T25#1 [mm] "Chip Resistor, 2-Leads, Body 2.00x1.25mm, IPC Low Density"
  rect 1.4x1.55 smd: 1(-0.95,0) 2(0.95,0)
  body extent -1.1,-0.72 1.1,0.72, height 0.6
RESC2013X60X40ML20T25#2 [mm] "Chip Resistor, 2-Leads, Body 2.00x1.25mm, IPC Low Density"
  rect 1.4x2.053 smd: 1(-0.95,0) 2(0.95,0)
  body extent -1.1,-0.72 1.1,0.73, height 0.6
RESC2013X60X40ML20T25#3 [mm] "Chip Resistor, 2-Leads, Body 2.00x1.25mm, IPC Low Density"
  rect 1.35x1.55 smd: 1(-0.95,0)
  rect 1.3x1.55 smd: 2(0.95,0)
  body extent -1.1,-0.73 1.1,0.73, height 0.6
RESC2013X60X40ML20T25#4 [mm] "Chip Resistor, 2-Leads, Body 2.00x1.25mm, IPC Low Density"
  rect 1.4x2 smd: 1(-0.95,0) 2(0.95,0)
  body extent -1.1,-0.73 1.1,0.73, height 0.6
RESC2013X60X40ML20T25#5 [mm] "Chip Resistor, 2-Leads, Body 2.00x1.25mm, IPC Low Density"
  rect 1.4x2.053 smd: 1(-0.95,0)
  rect 1.25x2.053 smd: 2(0.95,0)
  body extent -1.1,-0.73 1.1,0.73, height 0.6
RESC2013X70X40ML20T20 [mm] "Chip Resistor, 2-Leads, Body 2.00x1.25mm, IPC Low Density"
  rect 1.35x1.55 smd: 1(-0.975,0) 2(0.975,0)
  body extent -1.1,-0.72 1.1,0.72, height 0.7
RESC2013X70X40NL20T20 [mm] "Chip Resistor, 2-Leads, Body 2.2x1.35mm, IPC Medium Density"
  rect 1.15x1.45 smd: 1(-0.875,0) 2(0.875,0)
  body extent -1.1,-0.72 1.1,0.72, height 0.7
SOT-223-DB3_N [mm] "SOT223, 4-Leads, Body 6.5x3.5mm, Pitch 2.3mm, Lead Span 7mm, IPC Medium Density"
  rect 2.2x1 smd: 1(-3,2.3) 2(-3,0) 3(-3,-2.3)
  rect 2.2x3.3 smd: 4(3,0)
  silkscreen extent -3.12,-3.35 1.6,3.47, body extent -1.85,-3.35 1.85,3.35, height 1.8
SPST-2 [mm] "Switch; 2 Leads"
  rect 1.85x1.85 hole 1.1: 1(-2.54,0)
  round 1.85 hole 1.1: 2(2.54,0)
  silkscreen extent -4.89,-1.27 4.28,1.27
TQFP-PT44_M [mm] "Thin QFP, 44-Leads, Body 10x10mm, Pitch 0.8mm, IPC Low Density"
  oval 2.05x0.6 smd: 1(-5.7,4) 2(-5.7,3.2) 3(-5.7,2.4) 4(-5.7,1.6) 5(-5.7,0.8) 6(-5.7,0) 7(-5.7,-0.8) 8(-5.7,-1.6) 9(-5.7,-2.4) 10(-5.7,-3.2) 11(-5.7,-4) 23(5.7,-4) 24(5.7,-3.2) 25(5.7,-2.4) 26(5.7,-1.6) 27(5.7,-0.8) 28(5.7,0) 29(5.7,0.8) 30(5.7,1.6) 31(5.7,2.4) 32(5.7,3.2) 33(5.7,4)
  oval 0.6x2.05 smd: 12(-4,-5.7) 13(-3.2,-5.7) 14(-2.4,-5.7) 15(-1.6,-5.7) 16(-0.8,-5.7) 17(0,-5.7) 18(0.8,-5.7) 19(1.6,-5.7) 20(2.4,-5.7) 21(3.2,-5.7) 22(4,-5.7) 34(4,5.7) 35(3.2,5.7) 36(2.4,5.7) 37(1.6,5.7) 38(0.8,5.7) 39(0,5.7) 40(-0.8,5.7) 41(-1.6,5.7) 42(-2.4,5.7) 43(-3.2,5.7) 44(-4,5.7)
  silkscreen extent -5.82,-4.25 4.25,4.97, body extent -5,-5 5,5, height 1.2
WL-SMCW_0805_150080xx75000 [mm] "SMD Mono-color Chip LED, body 2.0x1.25mm"
  rect 1.1x1.3 smd: 1(-1.05,0) 2(1.05,0)
  silkscreen extent -2,-0.6 -1.8,0.6, body extent -1,-0.63 1,0.62, height 0.7
WL-TMRC_D5.9H8.7 [mm] "THT Mono-color Round Color LED, 2-leads"
  round 1.5 hole 1: 1(-1.27,0) 2(1.27,0)
  silkscreen extent -3.07,-3.07 2.58,3.08, body extent -2.95,-2.95 2.45,2.95, height 9.2

## Part data
C01 C04 C05 C06 C07 C08 C09 C10 C123 C124 C125 C126 C127 C224 C226 C227 CA1 CA3 CA4 CA8 CA9 CA10 CA11 CA12 CA13 CA14 CB1 CB3 CB4 CB8 CB9 CB10 CB11 CB12 CB13 CB14 CC1 CC2 CC3 CC4 CM11 CM12 CM13 CM14 CM15 CM21 CM22 CM23 CM24 CM31 CM32 CM33 CM34 CM41 CM42 CM43 CM44 CP1 CP2 CP3 CP4 CP5 CP7 CP8 CP9: library part CMP-2100-03606-3, "CAP CER 0.1UF 50V X7R 0805", Capacitance="100 nF", Manufacturer=Yageo, Manufacturer Part Number=CC0805KRX7R9BB104, Package=CC0805-0.85, Temperature="-30°C to +85°C", Temperature Characteristic=X7R, Temperature Range High=+85°C, Temperature Range Low=-30°C, Tolerance=0.1, Voltage Rating="50 V", Automotive=No, Category=Cap, ComponentLink2Description=Datasheet, ComponentLink2URL=http://www.yageo.com/documents/recent/UPY-GPHC_Y5V_6.3V-to-50V_8.pdf, Device Class L1="Passive Components", Device Class L2=Capacitors, Device Class L3="Ceramic Capacitors", Digikey Description="CAP CER 0.1UF 50V X7R 0805", Footprint Url=http://www.yageo.com/exep/pages/download/literatures/UPY-C_GEN_24.pdf, Height=0.95mm, Ipc Land Pattern Name=CAPC200125X85, Lead Free=Yes, Material=Ceramic, Mouser Description="Multilayer Ceramic Capacitors MLCC - SMD/SMT 100nF 50V X7R 10%", Octopart=https://octopart.com/cc0805krx7r9bb104-yageo-192993, RoHS=TRUE
C02 C03: library part CMP-2007-00459-1, Manufacturer=Kemet, Part Number=C0805C101JCGACTU
C11 C16 C18 C21 C26 C28 C110 C112 C114 C117 C119 C210 C212 C214 C217 C219: library part CMP-13271-003234-1, "CL21 Series 0805 10pF 100V ±0.25pF Tolerance C0G Multilayer Ceramic Chip Capacitor", Capacitance=10pF, Case Code (Imperial)=0805, Case Code (Metric)=2012, Dielectric=C0G, Max Operating Temperature=125°C, Min Operating Temperature=-55°C, Package Quantity=1, Temperature Coefficient=300ppm/°C, Voltage=100V, Case/Package=0805, Depth=1.25mm, Height=0.65mm, Length=2mm, Material=Ceramic, Mount="Surface Mount", Packaging="Tape and Reel", Radiation Hardening=No, Thickness=0.03inch, Voltage Rating=100V, Voltage Rating (DC)=100V, Width=0.049inch
C12 C17 C19 C22 C27 C29 C111 C113 C115 C118 C120 C211 C213 C215 C218 C220: library part CMP-2100-03606-3, "CAP CER 0.1UF 50V X7R 0805", Capacitance=10pF, Case Code (Imperial)=0805, Case Code (Metric)=2012, Dielectric=C0G, Max Operating Temperature=125°C, Min Operating Temperature=-55°C, Package Quantity=1, Temperature Coefficient=300ppm/°C, Voltage=100V, Case/Package=0805, Depth=1.25mm, Height=0.65mm, Length=2mm, Material=Ceramic, Mount="Surface Mount", Packaging="Tape and Reel", Radiation Hardening=No, Thickness=0.03inch, Voltage Rating=100V, Voltage Rating (DC)=100V, Width=0.049inch
C13 C23: library part CMP-2007-03635-1, Manufacturer=Vitramon, Part Number=CDR31BX272BKMSAJ
C14 C24: library part CMP-2007-03713-1, Manufacturer=Kemet, Part Number=C0805F473K5RACTU
C15 C25: library part CMP-1036-02839-3, "CAP CER 680PF 100V 5% NP0 0805", Manufacturer=KEMET, Manufacturer Part Number=C0805C681J1GACTU, Package=C0805C-DN, Temperature="-55°C to +125°C", Temperature Characteristic=C0G, Temperature Coefficient=30ppm/°C, Temperature Range High=+125°C, Temperature Range Low=-55°C, Tolerance=0.05, Voltage Rating="100 V", Automotive=No, Capacitance="680 pF", Category=Cap, ComponentLink2Description=Datasheet, ComponentLink2URL=https://content.kemet.com/datasheets/KEM_C1003_C0G_SMD.pdf, Device Class L1="Passive Components", Device Class L2=Capacitors, Device Class L3="Ceramic Capacitors", Digikey Description="CAP CER 680PF 100V 5% NP0 0805", Height=0.88mm, Ipc Land Pattern Name=CAPC200125X78, Lead Free=Yes, Material=Ceramic, Mouser Description="Cap Ceramic 680pF 100V C0G 5% SMD 0805 125°C Plastic T/R", Octopart=https://octopart.com/c0805c681j1gactu-kemet-8375796, RoHS=TRUE
C121 C221: library part CMP-2007-04125-1, Manufacturer="AVX Interconnect / Elco", Part Number=08051A102J4T2A
C223 C225: library part CMP-2007-00459-1, Capacitance="100 nF", Manufacturer=Yageo, Manufacturer Part Number=CC0805KRX7R9BB104, Package=CC0805-0.85, Temperature="-30°C to +85°C", Temperature Characteristic=X7R, Temperature Range High=+85°C, Temperature Range Low=-30°C, Tolerance=0.1, Voltage Rating="50 V", Automotive=No, Category=Cap, ComponentLink2Description=Datasheet, ComponentLink2URL=http://www.yageo.com/documents/recent/UPY-GPHC_Y5V_6.3V-to-50V_8.pdf, Device Class L1="Passive Components", Device Class L2=Capacitors, Device Class L3="Ceramic Capacitors", Digikey Description="CAP CER 0.1UF 50V X7R 0805", Footprint Url=http://www.yageo.com/exep/pages/download/literatures/UPY-C_GEN_24.pdf, Height=0.95mm, Ipc Land Pattern Name=CAPC200125X85, Lead Free=Yes, Material=Ceramic, Mouser Description="Multilayer Ceramic Capacitors MLCC - SMD/SMT 100nF 50V X7R 10%", Octopart=https://octopart.com/cc0805krx7r9bb104-yageo-192993, RoHS=TRUE
CA2 CA5 CB2 CB5: library part CMP-05427-001316-1, "Aluminum Electrolytic Capacitors (Radial Lead Type) 100uF ±20% 16V", Capacitance=100uF, Case/Package=Radial, Max Operating Temperature=85°C, Min Operating Temperature=-40°C, Package Quantity=2000, Ripple Current=91mA, Tolerance=20%, Voltage=16V, Diameter=6.3mm, Height=7mm, Height - Seated (Max)=0.315inch, Lead Diameter=0.45mm, Lead Pitch=2.5mm, Length=7mm, Life (Hours)=1000Hour, Mount="Through Hole", Packaging="Tape and Reel", Polarity=Polar, Radiation Hardening=No, RoHS Compliant=Yes, Series=KA, Termination=Radial, Voltage Rating=16V, Voltage Rating (DC)=16V
CP6: library part CMP-2100-03606-3, "CAP CER 0.1UF 50V X7R 0805", Manufacturer=Yageo, Manufacturer Part Number=CC0805KRX7R9BB104, Package=CC0805-0.85, Temperature="-30°C to +85°C", Temperature Characteristic=X7R, Temperature Range High=+85°C, Temperature Range Low=-30°C, Tolerance=0.1, Voltage Rating="50 V", Automotive=No, Capacitance="100 nF", Category=Cap, ComponentLink2Description=Datasheet, ComponentLink2URL=http://www.yageo.com/documents/recent/UPY-GPHC_Y5V_6.3V-to-50V_8.pdf, Device Class L1="Passive Components", Device Class L2=Capacitors, Device Class L3="Ceramic Capacitors", Digikey Description="CAP CER 0.1UF 50V X7R 0805", Footprint Url=http://www.yageo.com/exep/pages/download/literatures/UPY-C_GEN_24.pdf, Height=0.95mm, Ipc Land Pattern Name=CAPC200125X85, Lead Free=Yes, Material=Ceramic, Mouser Description="Multilayer Ceramic Capacitors MLCC - SMD/SMT 100nF 50V X7R 10%", Octopart=https://octopart.com/cc0805krx7r9bb104-yageo-192993, RoHS=TRUE
D1 D2 D41 DC DM6 DP1 DP2 DP3: library part CMP-1426-00011-2, Case Code (Imperial)=0805, Case Code (Metric)=2012, Color=Red, Forward Current=100mA, Forward Voltage=2V, Max Operating Temperature=85°C, Max Reverse Voltage (DC)=5V, Min Operating Temperature=-40°C, Test Current=20mA, Case/Package=0805, Dominant Wavelength=625nm, Height=700µm, Length=2mm, Lens Style="Clear, Rectangular", Luminous Intensity=150mcd, Mount="Surface Mount", NexarPartId=29717781, Packaging="Tape and Reel", Peak Wavelength=630nm, REACH SVHC=Unknown, RoHS=Compliant, Viewing Angle=140°, Wavelength=625nm, Width=1.25mm
DA DB: library part CMP-1488-00009-2, Case/Package=Radial, Color=Blue, Forward Current=100mA, Forward Voltage=3.2V, Max Operating Temperature=85°C, Max Reverse Voltage (DC)=5V, Min Operating Temperature=-40°C, Test Current=20mA, Dominant Wavelength=470nm, Height=8.6mm, Length=5mm, Lens Size=5mm, Lens Style="Circular, Diffused, Round", Luminous Intensity=500mcd, Mount="Through Hole", NexarPartId=29717812, Packaging=Bulk, Peak Wavelength=465nm, REACH SVHC=Unknown, RoHS=Compliant, Viewing Angle=40°, Wavelength=470nm, Width=5mm
J1 J2 J3 J3_1 JM1 JM2 JM3 JM4: library part CMP-09588-000002-1, "CONN SMA JACK STR 50OHM EDGE MNT", Case/Package=SMA, Frequency=18GHz, Max Operating Temperature=165°C, Min Operating Temperature=-65°C, Operating Frequency="0 to 18 GHz", Package Quantity=5, Voltage Rating=335V, Body Material=Brass, Body Plating=Gold, Connector Type=SMA, Contact Material=Copper, Contact Plating=Gold, Depth=25.58mm, Fastening Type=Threaded, Gender=Female, Impedance=50R, Length=0.44inch, Max Frequency=18GHz, Mount=Edge, Orientation=Straight, Packaging=Bulk, Radiation Hardening=No, RoHS Compliant=Yes, Series=SMA, Termination=Solder
JA JB: library part CMP-1502-03244-2, Contact Resistance=20mO, Current Rating=1.5A, Insulation Resistance=1GO, Max Operating Temperature=105°C, Min Operating Temperature=-40°C, Operating Supply Voltage=30V, Connector Type=USB, Contact Plating=Gold, Features=Shielded, Gender=Receptacle, Lead Free="Lead Free", Length=16mm, Mount="Horizontal, Surface Mount", NexarPartId=19991172, Number of Contacts=4, Number of Pins=4, Orientation=Horizontal, Packaging="Tape and Reel", REACH SVHC=Unknown, RoHS=Compliant, Termination=SMD/SMT, USB Standard="USB 2.0"
MX1 MX2 MX3 MX4: "mixer"
P1: library part "Header 2", "Header, 2-Pin"
P2 P3 P5: library part "Header 4", "Header, 4-Pin"
  P3 P5: LatestRevisionDate=17-Jul-2002, LatestRevisionNote="Re-released for DXP Platform.", Publisher="Altium Limited"
P4: "Header, 5-Pin"
PC1 PC2 PP1 PP1_1 PP2 PP2_1 PP3 PP3_1 PP4 PP4_1 PP5 PP5_1 PP6 PP6_1 PP7 PP7_1 PP8 PP8_1 PP9 PP9_1 PP10 PP10_1 PP11 PP11_1: "Header, 4-Pin", LatestRevisionDate=17-Jul-2002, LatestRevisionNote="Re-released for DXP Platform.", Publisher="Altium Limited"
PC3 PC4 PM1 PM2 PM3 PM4 PM5 PM6: "Header, 2-Pin", LatestRevisionDate=17-Jul-2002, LatestRevisionNote="Re-released for DXP Platform.", Publisher="Altium Limited"
Q01 Q02: library part CMP-1693-00003-4, "TRANS NPN 40V 0.6A SMD SOT23-3", Case/Package=SOT-23, Collector Base Voltage (VCBO)=75V, Collector Emitter Breakdown Voltage=40V, Collector Emitter Saturation Voltage=1V, Continuous Collector Current=600mA, Current=1A, Emitter Base Voltage (VEBO)=6V, Frequency=300MHz, Max Operating Temperature=150°C, Max Power Dissipation=300mW, Min Operating Temperature=-55°C, Package Quantity=3000, Power Dissipation=350mW, Collector Emitter Voltage (VCEO)=40V, Contact Plating=Tin, Current Rating=600mA, Element Configuration=Single, Gain Bandwidth Product=300MHz, Height=1mm, hFE Min=100, Lead Free="Lead Free", Length=3.05mm, Max Breakdown Voltage=40V, Max Collector Current=600mA, Max Frequency=300MHz, Mount="Surface Mount", Number of Elements=1, Number of Pins=3, Packaging="Tape and Reel", Polarity=NPN, Radiation Hardening=No, REACH SVHC="No SVHC", Termination=SMD/SMT, Transition Frequency=300MHz, Voltage=40V, Voltage Rating (DC)=40V, Weight=0.000282oz, Width=1.4mm
R01 R14 R15 R16 R17 R19 R24 R25 R26 R27 R29 R41 R42 R43 R44 R45 R46 R47 R48 R49 R51 R52 R53 R54 R55 R410 R411 R412 R413 R414 R415 R416 R417 R418 R419 RA1 RA2 RA3 RA4 RA5 RA6 RB1 RB2 RB3 RB4 RB5 RB6 RC1 RC2 RC4 RC5 RC6 RC7 RC8 RM1 RM2 RM3 RM4 RM6 "RN1 50 OHm" "RN 50 Ohm" RP1 RP2 RP3 RP4 RP5 RP6 RR1 RR2A RR3 RR4A RR5 RR6A RR7A RR8A RR9 RR10 RR12 RR13 RR14A: library part CMP-2001-00580-1, Manufacturer=Panasonic, Part Number=ERA6AEB101V
R02 R03: library part CMP-1659-00013-4, "Chip Resistor, 10 KOhm, +/- 1%, 0.125 W, -55 to 155 degC, 0805 (2012 Metric), RoHS, Tape and Reel", Manufacturer=Yageo, Max Operating Temperature="155 degC", Min Operating Temperature="-55 degC", Package Quantity=5000, Voltage Rating="150 V", ComponentLink1Description="Manufacturer URL", ComponentLink1URL=http://www.yageo.com/, ComponentLink2Description=Datasheet, ComponentLink2URL=http://www.yageo.com/documents/recent/PYu-RC_Group_51_RoHS_L_04.pdf, DatasheetVersion="Rev. 4, 02/2016", Height="0.5 mm", Length="2 mm", Mount="Surface Mount", Mounting Technology="Surface Mount", PackageDescription="2-Pin Surface Mounted Device, Body 2 x 1.25 mm", PackageReference=0805, Packaging="Tape and Reel", Pins=2, REACH SVHC="No SVHC", RoHSCompliant=true
R04 R05: library part CMP-2001-00511-5, "Chip Resistor, 120 Ohm, +/- 1%, 0.125 W, -55 to 155 degC, 0805 (2012 Metric), RoHS, Tape and Reel", Manufacturer=Panasonic, Max Operating Temperature="155 degC", Min Operating Temperature="-55 degC", Package Quantity=5000, Voltage Rating="150 V", ComponentLink1Description="Manufacturer URL", ComponentLink1URL=http://www.panasonic.com/, ComponentLink2Description=Datasheet, ComponentLink2URL=http://industrial.panasonic.com/cdbs/www-data/pdf/RDA0000/AOA0000C86.pdf, DatasheetVersion=04/2015, Height="0.6 mm", Length="2 mm", Mount="Surface Mount", Mounting Technology="Surface Mount", PackageDescription="2-Pin Surface Mount Device, Body 2 x 1.25 mm", PackageReference=0805, Packaging="Tape and Reel", Pins=2, REACH SVHC=Yes, RoHSCompliant=true
R11A R11B R21A R21B: library part CMP-2001-00537-1, Manufacturer=Panasonic, Part Number=ERJ-6ENF3600V
R12 R13 R22 R23: library part CMP-2001-00569-1, Manufacturer=Panasonic, Part Number=ERJ6ENF6803V
"SW RST": "Switch"
U1 U2: library part CMP-0287-00015-1, "Wideband Synthesizer with Integrated VCO, CP-32-2, Pb-Free, 1500 Reel", Frequency Range=35MHz-4.4GHz, Supply Current=110mA, Code_JEDEC=MO-220-VHHD-2, ComponentLink1Description="Manufacturer URL", ComponentLink1URL=www.analog.com, ComponentLink2Description=Datasheet, ComponentLink2URL=http://www.analog.com/static/imported-files/data_sheets/ADF4351.pdf, ComponentLink3Description="Package Specification", ComponentLink3URL=http://www.analog.com/static/imported-files/packages/414143737956480539664569CP_32_2.pdf, DatasheetVersion="Rev. Pr D", Max REFin (MHz)=250MHz, Max RF Input (MHz)=4.4GHz, Norm Phase Noise (dBc/Hz)=-221dBc, PackageDescription="32-Lead Lead Frame Chip Scale Package [LFCSP_VQ]", PackageReference=CP-32-2, PackageVersion=Jan-2005, RF Prescalers=4/5,8/9, Single/Dual=Single
U4: "250 mA, 16V, Low Quiescent Current LDO Regulator, 3-Pin SOT-223, Extended Temperature", Supplier Part Number 1=MCP1703-5002E/DB-ND, ComponentLink1Description=Datasheet, ComponentLink1URL=http://ww1.microchip.com/downloads/en/DeviceDoc/22049d.pdf, ComponentLink2Description="Packaging Specification", ComponentLink2URL=http://www.microchip.com/stellent/groups/techpub_sg/documents/packagingspec/en012702.pdf, ComponentLink3Description="Microchip.com Home", ComponentLink3URL=http://www.microchip.com/, DatasheetVersion="revD, Sep-2009", PackageDescription="3-Lead Plastic Small Outline Transistor (DB) [SOT-223]", PackageReference=SOT-223-DB3, PackageVersion="revBB, Aug-2009", Published=29-Jan-2009, Publisher="Altium Limited", Supplier 1=Digi-Key, Supplier 2=Farnell, Supplier Part Number 2=1627178
UA UB: library part CMP-04873-000006-1, "IC STEREO AUD CODEC W/USB 28SSOP", Case/Package=SSOP, Max Operating Temperature=85°C, Max Supply Voltage=5.25V, Min Operating Temperature=-25°C, Min Supply Voltage=3.25V, Nominal Supply Current=67mA, Operating Supply Voltage=5V, Package Quantity=47, Height=1.95mm, Interface=USB, Lead Free="Lead Free", Length=10.2mm, Mount="Surface Mount", Number of A/D Converters=1, Number of ADC Channels=2, Number of Analog Inputs=2, Number of Analog Outputs=2, Number of Bits=16, Number of Channels=2, Number of D/A Converters=1, Number of DAC Channels=2, Number of Pins=28, Packaging=Rail/Tube, Radiation Hardening=No, Resolution=16b, RoHS Compliant=Yes, Sampling Rate=48KS/s, Signal to Noise Ratio (SNR)=89dB, Type="General Purpose", Weight=0.010081oz, Width=5.3mm
UC: library part CMP-0187-00677-2, "None", Case/Package=PDIP, Input Bias Current=1pA, Input Offset Voltage (Vos)=250uV, Max Operating Temperature=125°C, Max Supply Voltage=5.5V, Min Operating Temperature=-40°C, Min Supply Voltage=2.5V, Nominal Supply Current=1mA, Output Current=22mA, Output Current per Channel=30mA, Package Quantity=60, Power Supply Rejection Ratio (PSRR)=74dB, Voltage Gain=110dB, Amplifier Type="GENERAL PURPOSE", Bandwidth=10MHz, Common Mode Rejection Ratio=70dB, Gain Bandwidth Product=10MHz, Height=0.195inch, Lead Free="Lead Free", Length=10.16mm, Mount="Through Hole", Number of Amplifiers=1, Number of Channels=1, Number of Circuits=1, Number of Elements=1, Number of Pins=8, Operating Supply Current=1mA, Packaging=Rail/Tube, Radiation Hardening=No, REACH SVHC="No SVHC", RoHS Compliant=Yes, Slew Rate=7V/µs, Supply Current=1mA, Technology=CMOS, Unity Gain Bandwidth Product=10MHz, Width=0.28inch
UP: library part CMP-0116-00956-1, "High Performance, Enhanced Flash, USB Microcontroller with nanoWatt Technology, 32K Flash, 44-Pin TQFP, Industrial Temperature Range", Code_JEDEC=MS-026, DatasheetVersion="revE, Aug-2008", PackageDescription="44-Lead Plastic Thin Quad Flatpack (PT) - 10x10x1mm Body, 2.00mm [TQFP]", PackageReference=TQFP-PT44, PackageVersion="revBB, Aug-2009"
Y01: library part CMP-1749-00003-1, "Resistance Weld Thru-Hole Crystal, 16 MHz, -20 to 70 degC, 2-Pin THD, RoHS, Bulk"
YA YB YP: library part CMP-1749-00003-1, "Resistance Weld Thru-Hole Crystal, 16 MHz, -20 to 70 degC, 2-Pin THD, RoHS, Bulk", Case\Package=Axial, Max Operating Temperature="155 degC", Min Operating Temperature="-55 degC", Package Quantity=200, Power Rating="250 mW", Resistance="221 kohm", Tolerance=1%, Voltage Rating="250 V", ComponentLink1Description="Manufacturer URL", ComponentLink1URL=http://www.foxonline.com/, ComponentLink2Description=Datasheet, ComponentLink2URL=http://www.foxonline.com/pdfs/hc49slf.pdf, DatasheetVersion=Mar-15, Length="0.248 inch", Mount="Through Hole", PackageDescription="2-Pin Through Hole Device, Body 11.35 x 4.65 mm", PackageReference=FOXSLF160-20, Packaging=Bulk, RoHSCompliant=true

## Via types
v1: diameter 0.5, hole 0.254, Top Layer to Bottom Layer, 5718 vias
v2: diameter 5, hole 4, Top Layer to Bottom Layer, 12 vias
v3: diameter 1, hole 0.5, Top Layer to Bottom Layer, 8 vias
v4: diameter 1.27, hole 0.711, Top Layer to Bottom Layer, 7 vias